# Altium PCB host_board.PcbDoc (part 5 of 7)
Units mm, origin at the board's own origin, x right, y up, seen from the top; angles counter-clockwise.
Board outline 87.1 x 62.94 mm, 4 copper layers (Top Layer, GND, Power, Bottom Layer), stack 1.59 mm thick; 217 components, 247 nets, 1076 pads, 563 vias.
Unrouted connection lines stored in the file: 56.
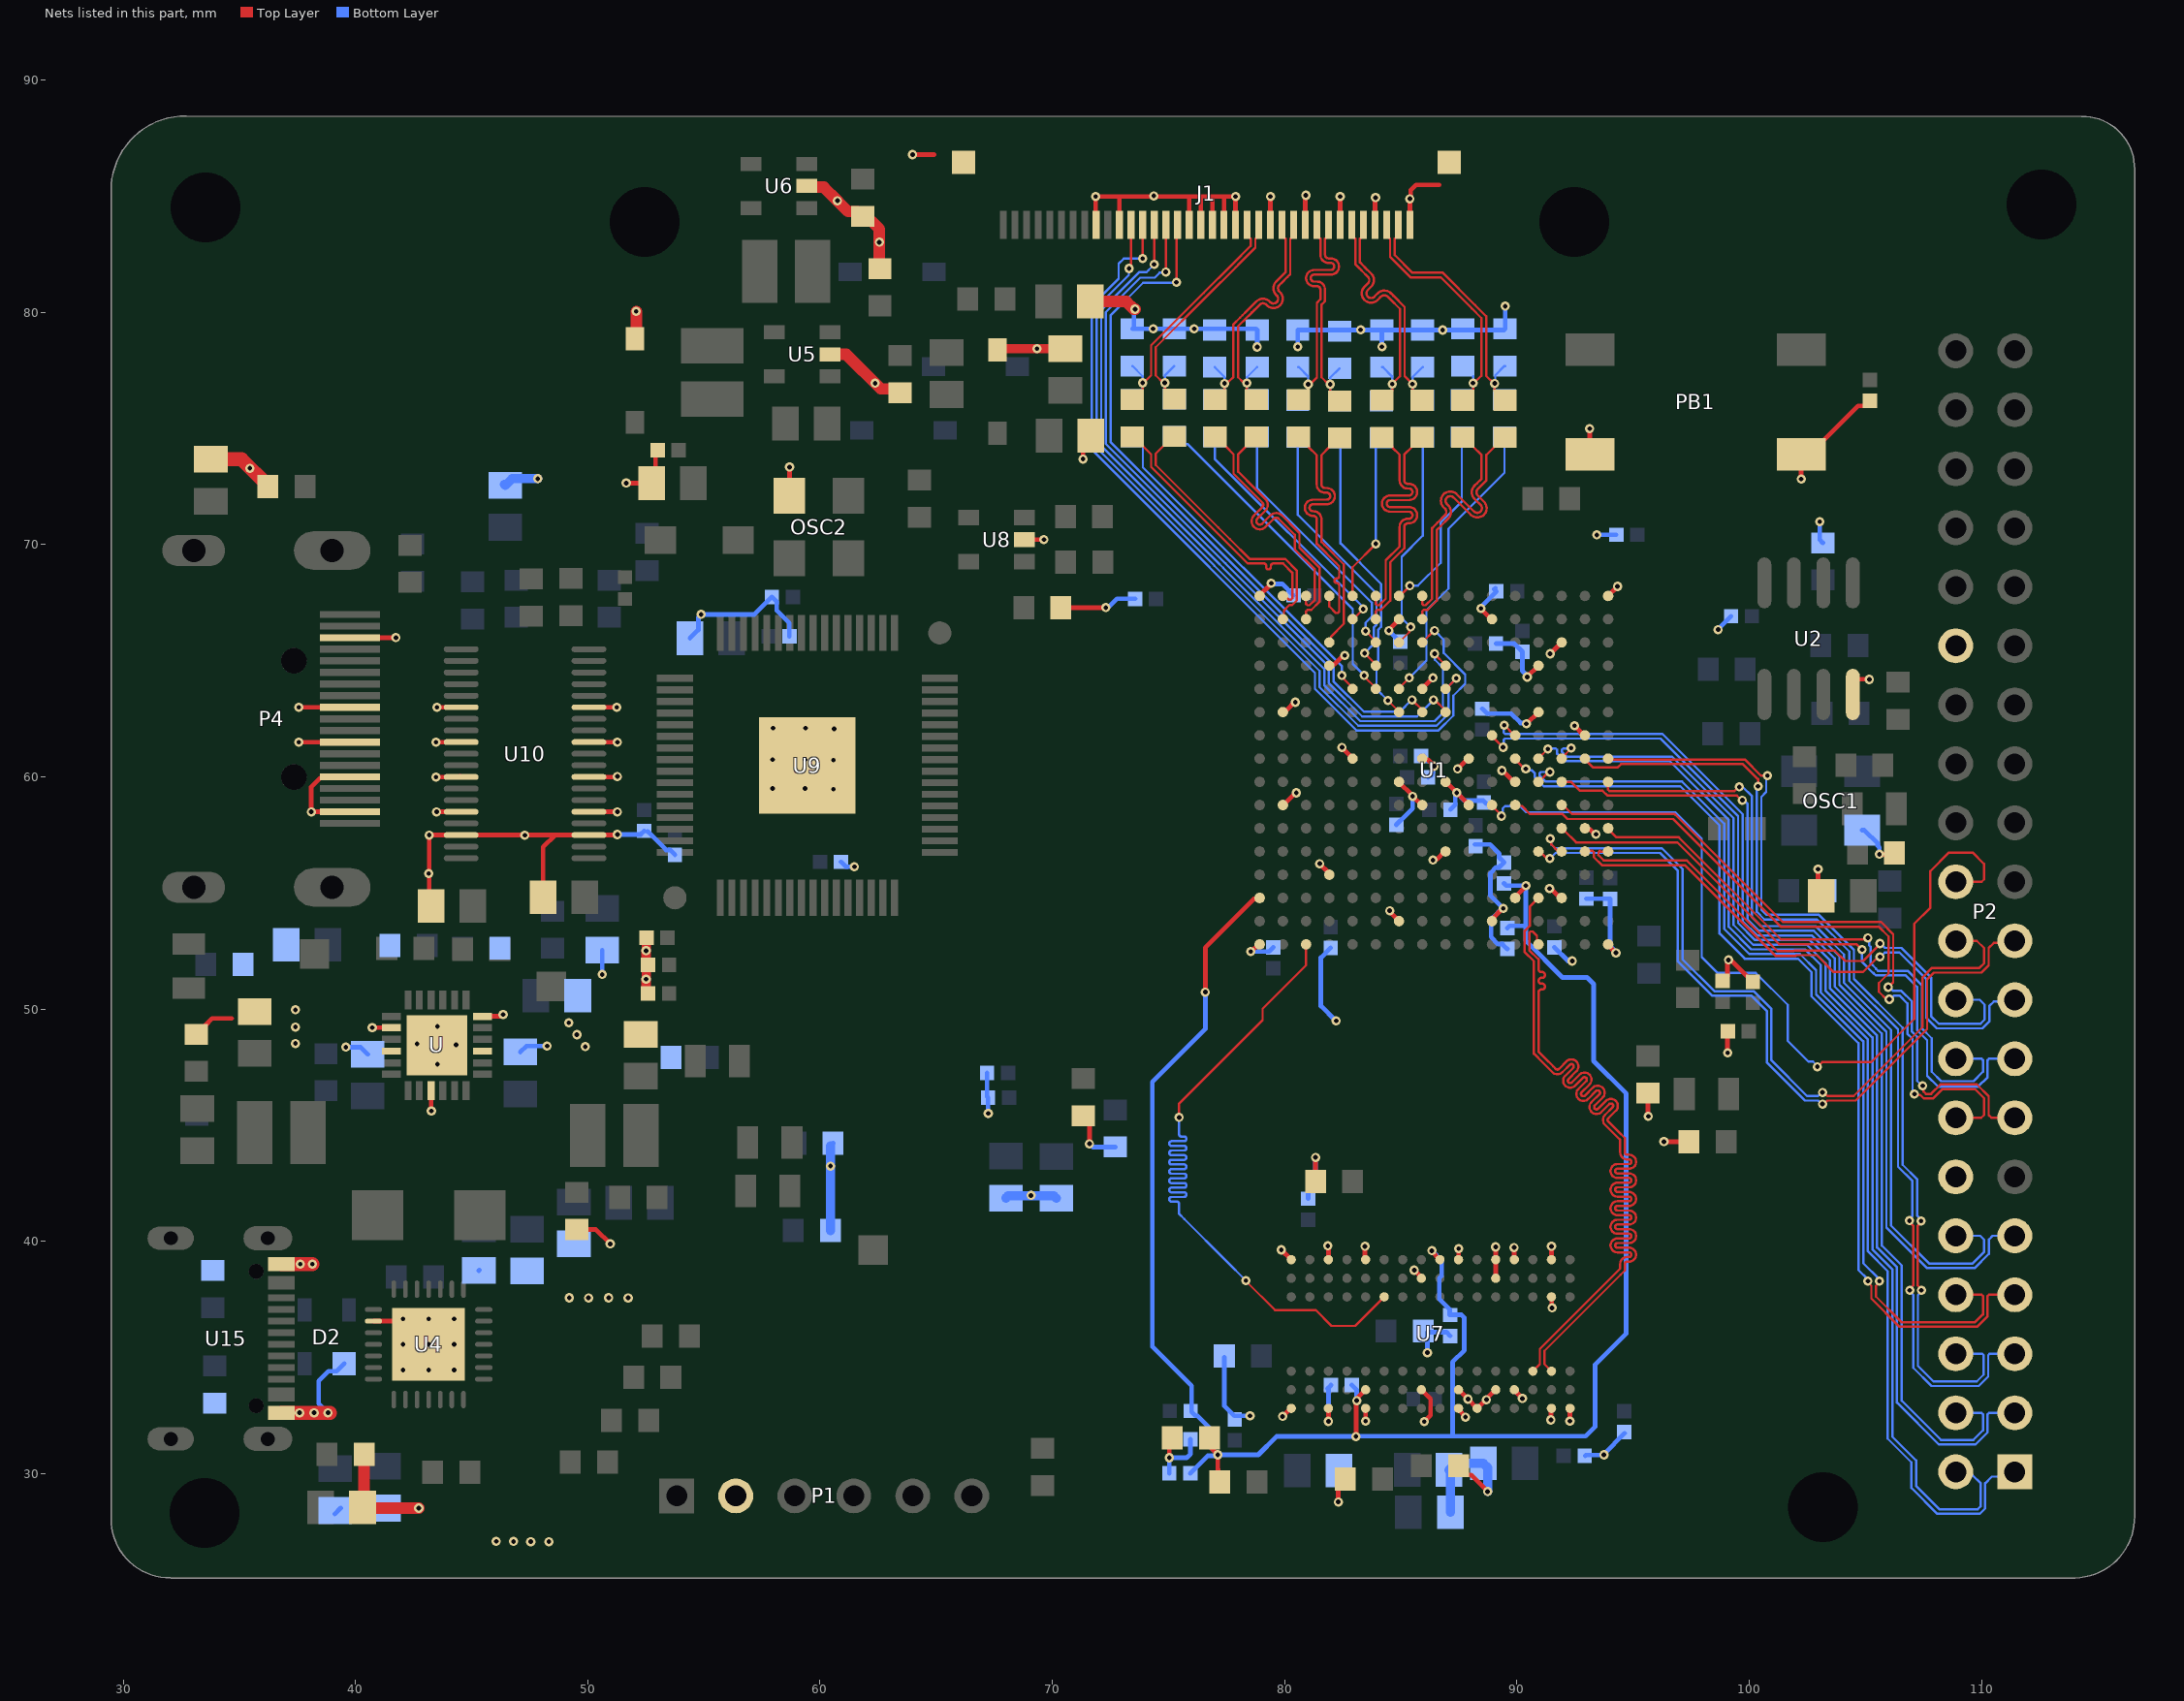
[diagram p7: the nets of this part, all layers, seen from the top]

## Via types
v1: diameter 0.4, hole 0.2, Top Layer to Bottom Layer, tented both sides, 485 vias
v2: diameter 0.4, hole 0.2, Top Layer to Bottom Layer, tented top, 61 vias
v3: diameter 0.5, hole 0.2, Top Layer to Bottom Layer, 9 vias
v4: diameter 0.4, hole 0.2, Top Layer to Bottom Layer, 8 vias

## Nets (pads, with @x,y where several pads share a name; then routed paths per layer and width w, separated by ;. In a path a pad name is that pad's centre, name@x,y a point inside that pad or via, vN(x,y) a via of type N, cw(c..) or ccw(c..) an arc to the next point about the centre after c; other vN are vias at no path point) (continued)
DDR_UDQS_N: U1.N1 U7.B7 | length 37.1
  Top Layer w0.1: U1.N1@90.92,52.793 90.854,52.859 90.854,53.168 90.67,53.351 90.587,53.351 90.529,53.293 90.529,52.544 90.907,52.166 90.924,52.149 90.924,51.728 ccw(c91.049,51.728) 91.049,51.603 91.075,51.603 cw(c91.075,51.478) 91.2,51.478 cw(c91.075,51.478) 91.075,51.353 91.049,51.353 ccw(c91.049,51.228) 90.924,51.228 ccw(c91.049,51.228) 91.049,51.103 91.075,51.103 cw(c91.075,50.978) 91.2,50.978 cw(c91.075,50.978) 91.075,50.853 91.049,50.853 ccw(c91.049,50.728) 90.924,50.728 90.924,50.428 90.924,48.173 91.209,47.887 91.559,47.538 91.664,47.432 ccw(c91.735,47.503) 91.806,47.432 92.127,47.753 cw(c92.34,47.542) 92.552,47.754 cw(c92.34,47.542) 92.552,47.329 92.215,46.992 ccw(c92.286,46.922) 92.215,46.851 ; U7.B7@91.48,34.42 91.18,34.72 91.18,35.297 94.455,38.572 94.64,38.757 94.64,39.036 cw(c94.74,39.036) 94.74,39.136 94.821,39.136 ccw(c94.821,39.436) 94.821,39.736 94.323,39.736 cw(c94.323,39.836) 94.323,39.936 94.821,39.936 ccw(c94.821,40.236) 94.821,40.536 94.323,40.536 cw(c94.323,40.636) 94.323,40.736 94.821,40.736 ccw(c94.821,41.036) 94.821,41.336 94.323,41.336 cw(c94.323,41.436) 94.323,41.536 94.821,41.536 ccw(c94.821,41.836) 94.821,42.136 94.323,42.136 cw(c94.323,42.236) 94.323,42.336 94.821,42.336 ccw(c94.821,42.636) 94.821,42.936 94.323,42.936 cw(c94.323,43.036) 94.323,43.136 94.821,43.136 ccw(c94.821,43.436) 94.821,43.736 94.74,43.736 cw(c94.74,43.836) 94.64,43.836 94.64,43.986 94.64,44.413 94.64,44.457 94.381,44.715 93.928,45.169 cw(c93.998,45.24) 93.928,45.311 94.249,45.632 ccw(c94.037,45.845) 94.279,46.023 94.279,46.027 94.25,46.056 ; 92.215,46.851 ccw(c92.286,46.922) 92.357,46.851 92.693,47.187 ; 92.693,47.188 cw(c92.906,46.976) 93.118,47.188 cw(c92.906,46.976) 93.117,46.763 92.78,46.426 ccw(c92.851,46.356) 92.78,46.286 ; 92.781,46.285 ccw(c92.851,46.356) 92.922,46.286 93.259,46.622 cw(c93.471,46.41) 93.65,46.652 93.654,46.652 93.683,46.623 ; 93.347,45.719 ccw(c93.417,45.79) 93.488,45.72 93.824,46.056 ; 93.346,45.72 cw(c93.417,45.79) 93.346,45.86 93.683,46.198 ccw(c93.471,46.41) 93.713,46.588 93.713,46.593 93.684,46.622 ; 93.825,46.056 cw(c94.037,45.845) 94.215,46.086 94.22,46.086 94.249,46.057
DDR_UDQS_P: U1.N3 U7.C7 | length 37.4
  Top Layer w0.1: U7.C7@90.68,34.42 90.98,34.72 90.98,35.38 94.172,38.572 94.44,38.84 94.44,39.036 cw(c94.74,39.036) 94.74,39.336 94.821,39.336 ccw(c94.821,39.436) 94.821,39.536 94.323,39.536 cw(c94.323,39.836) 94.323,40.136 94.821,40.136 ccw(c94.821,40.236) 94.821,40.336 94.323,40.336 cw(c94.323,40.636) 94.323,40.936 94.821,40.936 ccw(c94.821,41.036) 94.821,41.136 94.323,41.136 cw(c94.323,41.436) 94.323,41.736 94.821,41.736 ccw(c94.821,41.836) 94.821,41.936 94.323,41.936 cw(c94.323,42.236) 94.323,42.536 94.821,42.536 ccw(c94.821,42.636) 94.821,42.736 94.323,42.736 cw(c94.323,43.036) 94.323,43.336 94.821,43.336 ccw(c94.821,43.436) 94.821,43.536 94.74,43.536 cw(c94.74,43.836) 94.44,43.836 94.44,43.986 94.44,44.272 94.44,44.374 94.299,44.515 93.787,45.027 cw(c93.998,45.24) 93.787,45.453 94.107,45.773 ccw(c94.037,45.845) 94.109,45.915 ; U1.N3@90.92,54.793 90.545,54.418 90.545,53.592 90.329,53.375 90.329,52.461 90.724,52.066 90.724,51.415 90.724,50.721 90.724,48.09 91.139,47.675 91.417,47.397 91.523,47.291 ccw(c91.735,47.503) 91.948,47.291 92.27,47.613 cw(c92.34,47.542) 92.41,47.613 ; 92.074,47.134 ccw(c92.286,46.922) 92.074,46.709 ccw(c92.286,46.922) 92.498,46.71 92.836,47.047 cw(c92.906,46.976) 92.976,47.047 ; 92.074,47.134 92.41,47.47 ccw(c92.34,47.542) 92.411,47.612 ; 92.976,46.905 92.64,46.569 ccw(c92.851,46.356) 92.639,46.144 ccw(c92.851,46.356) 93.064,46.144 93.401,46.481 cw(c93.471,46.41) 93.542,46.482 ; 92.976,46.905 ccw(c92.906,46.976) 92.977,47.046 ; 93.542,46.339 93.206,46.003 ccw(c93.417,45.79) 93.205,45.578 ccw(c93.417,45.79) 93.63,45.579 93.967,45.916 cw(c94.037,45.845) 94.107,45.916 ; 93.542,46.339 ccw(c93.471,46.41) 93.543,46.48
DDR_VREF: C1.2 C30.1 C39.1 C40.2 C43.2 C47.2 R7.1 R8.2 U1.A3 U1.M3 U7.H1 U7.M8 | length 88.8
  Top Layer w0.2: v1(76.58,50.74) 76.58,52.656 78.669,54.745 78.872,54.745 U1.A3@78.92,54.793 ; R8.2@76.757,31.545 76.757,31.182 v1(77.119,30.82) 77.119,30.208 77.126,30.201 R7.1@77.126,29.75 ; v2(83.06,31.61) 83.08,31.63 83.08,33.22 U7.M8@83.48,33.62 ; v2(86.33,39.609) 86.33,39.57 U7.H1@86.68,39.22 ; U1.M3@89.905,54.82 90.38,55.295 v1(90.38,55.32)
  Bottom Layer w0.2: C40.2@75.932,30.02 76.694,30.782 77.081,30.782 v1(77.119,30.82) ; v1(76.58,50.74) 76.58,49.145 74.305,46.87 74.305,35.477 75.99,33.792 75.99,32.672 76.162,32.5 76.25,32.5 76.805,31.945 76.805,31.134 v1(77.119,30.82) ; C47.2@82.891,33.82 83.1,33.611 v1(83.1,33.15) ; v2(86.33,39.609) 86.755,39.184 86.755,38.52 86.655,38.42 86.655,37.521 87.096,37.08 87.096,36.845 87.605,36.845 87.73,36.72 87.73,35.316 87.22,34.806 87.22,31.62 ; C30.1@89.439,55.42 89.539,55.32 v1(90.38,55.32) 90.38,53.595 ; C1.2@89.58,53.495 89.68,53.595 90.38,53.595 ; v1(77.119,30.82) 78.86,30.82 79.65,31.61 v2(83.06,31.61) 83.07,31.62 87.22,31.62 ; 87.22,31.62 92.955,31.62 93.355,32.02 93.355,34.695 94.7,36.04 94.7,46.375 93.296,47.779 93.296,51.083 93.009,51.37 91.955,51.37 90.38,52.945 90.38,53.595
DDR_WE: U1.C1 U7.L3 | length 34.3
  Top Layer w0.1: v1(75.455,45.345) 75.455,45.946 79.047,49.538 79.047,50.027 80.92,51.9 U1.C1@80.92,52.793 ; v1(78.33,38.32) 78.33,38.3 79.585,37.045 81.339,37.045 82.014,36.37 83.03,36.37 U7.L3@84.28,37.62
  Bottom Layer w0.1: v1(75.455,45.345) 75.455,44.851 75.455,44.62 ccw(c75.555,44.62) 75.555,44.52 75.669,44.52 cw(c75.669,44.42) 75.669,44.32 75.129,44.32 ccw(c75.129,44.22) 75.129,44.12 75.669,44.12 cw(c75.669,44.02) 75.669,43.92 75.129,43.92 ccw(c75.129,43.82) 75.129,43.72 75.669,43.72 cw(c75.669,43.62) 75.669,43.52 75.129,43.52 ccw(c75.129,43.42) 75.129,43.32 75.669,43.32 cw(c75.669,43.22) 75.669,43.12 75.129,43.12 ccw(c75.129,43.02) 75.129,42.92 75.669,42.92 cw(c75.669,42.82) 75.669,42.72 75.129,42.72 ccw(c75.129,42.62) 75.129,42.52 75.669,42.52 cw(c75.669,42.42) 75.669,42.32 75.129,42.32 ccw(c75.129,42.22) 75.129,42.12 75.669,42.12 cw(c75.669,42.02) 75.669,41.92 75.129,41.92 ccw(c75.129,41.82) 75.129,41.72 75.355,41.72 cw(c75.355,41.62) 75.455,41.62 75.455,41.57 75.455,41.47 75.455,41.195 75.68,40.97 77.48,39.17 v1(78.33,38.32)
DPHY_0_N: DSI_R9.2 DSI_R19.2 DSI_R29.1 J1.3 | length 11.6
  Top Layer w0.1: J1.3@84.385,83.768 84.385,83.318 84.535,83.168 84.535,82.387 85.412,81.51 86.664,81.51 86.713,81.51 88.047,80.177 88.47,79.753 88.47,77.84 88.47,77.49 88.47,77.278 88.147,76.955 v1(88.105,76.955) 88.105,76.618 87.705,76.218 DSI_R9.2@87.66,76.218
  Bottom Layer w0.1: DSI_R19.2@87.651,76.244 87.701,76.244 88.101,76.644 88.101,76.952 v1(88.105,76.955) DSI_R29.1@88.105,77.248
DPHY_0_P: DSI_R10.2 DSI_R20.1 DSI_R30.2 J1.2 | length 12.2
  Top Layer w0.1: J1.2@84.885,83.768 84.885,83.318 84.735,83.168 84.735,82.47 85.495,81.71 86.796,81.71 86.83,81.676 88.188,80.318 88.67,79.836 88.67,77.84 88.67,77.66 88.67,77.268 88.995,76.943 v1(89.035,76.943) 89.035,76.618 89.435,76.218 DSI_R10.2@89.485,76.218
  Bottom Layer w0.1: DSI_R20.1@89.46,76.243 89.435,76.243 89.035,76.643 89.035,76.916 89.061,76.943 89.061,77.293 89.461,77.693 DSI_R30.2@89.485,77.693
DPHY_1_N: DSI_R7.2 DSI_R17.2 DSI_R27.1 J1.6 | length 11.8
  Top Layer w0.1: J1.6@82.885,83.768 82.885,83.318 83.035,83.168 83.035,82.074 83.236,81.874 83.294,81.816 83.312,81.797 83.578,81.532 cw(c83.438,81.389) 83.579,81.247 83.433,81.102 ccw(c83.716,80.819) 83.433,80.536 ccw(c83.716,80.819) 83.999,80.536 ; 83.999,80.536 84.144,80.681 ; 84.145,80.682 cw(c84.286,80.541) 84.429,80.681 ; DSI_R7.2@84.185,76.228 84.224,76.228 84.624,76.628 v1(84.624,76.916) 84.961,77.253 84.961,80.149 84.534,80.576 84.429,80.681
  Bottom Layer w0.1: DSI_R17.2@84.16,76.193 84.207,76.193 84.607,76.593 84.607,76.844 84.535,76.916 84.624,77.005 84.624,77.243 84.224,77.643 DSI_R27.1@84.185,77.643
DPHY_1_P: DSI_R8.2 DSI_R18.1 DSI_R28.2 J1.5 | length 11.6
  Top Layer w0.1: J1.5@83.385,83.768 83.385,83.318 83.235,83.168 83.235,82.158 83.377,82.016 83.454,81.939 83.72,81.673 cw(c83.438,81.389) 83.721,81.671 83.75,81.643 83.75,81.639 cw(c83.438,81.389) 83.72,81.106 83.575,80.961 ; 83.574,80.678 cw(c83.716,80.819) 83.575,80.96 ; 83.575,80.677 ccw(c83.716,80.819) 83.857,80.677 84.003,80.823 cw(c84.286,80.541) 84.537,80.853 84.54,80.853 84.569,80.824 cw(c84.286,80.541) 84.57,80.823 84.675,80.717 85.161,80.232 85.161,77.253 v1(85.498,76.916) 85.498,76.618 85.898,76.218 DSI_R8.2@85.91,76.218
  Bottom Layer w0.1: DSI_R18.1@85.935,76.218 85.498,76.655 v1(85.498,76.916) 85.498,77.205 DSI_R28.2@85.935,77.643
DPHY_2_N: DSI_R5.2 DSI_R15.2 DSI_R25.1 J1.9 | length 11.7
  Top Layer w0.1: DSI_R5.2@80.585,76.243 80.61,76.243 81.01,76.643 v1(81.01,76.905) 81.088,76.905 81.385,77.203 81.385,80.353 81.385,80.416 81.535,80.566 81.535,80.977 ccw(c81.385,80.977) 81.385,81.127 81.268,81.127 cw(c81.268,81.477) 81.268,81.827 81.985,81.827 ccw(c81.985,81.977) 81.985,82.127 81.885,82.127 cw(c81.885,82.477) 81.535,82.477 81.535,82.627 81.535,83.168 81.385,83.318 J1.9@81.385,83.768
  Bottom Layer w0.1: DSI_R15.2@80.56,76.218 80.61,76.218 81.01,76.618 81.01,77.243 80.61,77.643 DSI_R25.1@80.585,77.643
DPHY_2_P: DSI_R6.2 DSI_R16.1 DSI_R26.2 J1.8 | length 11.6
  Top Layer w0.1: J1.8@81.885,83.768 81.885,83.318 81.735,83.168 81.735,82.627 81.735,82.477 ccw(c81.885,82.477) 81.885,82.327 81.985,82.327 cw(c81.985,81.977) 81.985,81.627 81.268,81.627 ccw(c81.268,81.477) 81.268,81.327 81.385,81.327 cw(c81.385,80.977) 81.735,80.977 81.735,80.483 81.713,80.462 81.605,80.353 81.585,80.333 81.585,77.205 81.885,76.905 v1(81.96,76.905) 81.96,76.593 DSI_R6.2@82.36,76.193
  Bottom Layer w0.1: DSI_R16.1@82.36,76.193 81.96,76.593 v1(81.96,76.905) 81.96,77.193 82.36,77.593 DSI_R26.2@82.365,77.593
DPHY_3_N: DSI_R3.2 DSI_R13.2 DSI_R23.1 J1.12 | length 11.6
  Top Layer w0.1: DSI_R3.2@77.01,76.243 77.41,76.643 v1(77.41,76.943) 77.491,76.943 77.587,77.038 77.609,77.038 77.791,77.22 77.791,79.485 78.078,79.772 ; 78.183,79.878 78.078,79.772 ; 78.548,80.243 78.443,80.137 78.078,79.772 ; 78.549,80.243 78.779,80.474 cw(c79.063,80.192) 79.346,80.474 79.376,80.444 ccw(c79.517,80.586) 79.658,80.444 ; 79.657,80.728 79.629,80.756 cw(c79.911,81.04) 79.629,81.323 79.735,81.429 80.035,81.729 80.035,83.168 79.885,83.318 J1.12@79.885,83.768 ; 79.658,80.445 ccw(c79.517,80.586) 79.658,80.728
  Bottom Layer w0.1: DSI_R13.2@76.985,76.243 77.41,76.668 v1(77.41,76.943) 77.41,77.218 DSI_R23.1@76.985,77.643
DPHY_3_P: DSI_R4.2 DSI_R14.1 DSI_R24.2 J1.11 | length 11.6
  Top Layer w0.1: 78.325,79.736 78.269,79.681 78.264,79.676 ; 78.69,80.101 78.584,79.995 78.264,79.676 ; 78.69,80.102 78.921,80.332 cw(c79.063,80.192) 79.205,80.333 79.233,80.304 ccw(c79.517,80.586) 79.8,80.303 ccw(c79.517,80.586) 79.829,80.836 79.829,80.84 79.77,80.898 cw(c79.911,81.04) 79.77,81.181 ; DSI_R4.2@78.785,76.243 78.772,76.243 78.372,76.643 v1(78.372,76.955) 78.315,77.012 78.185,77.012 77.991,77.207 77.991,79.403 78.219,79.631 ; 79.771,81.182 79.876,81.288 80.118,81.529 80.235,81.647 80.235,83.168 80.385,83.318 J1.11@80.385,83.768 ; 78.219,79.631 78.264,79.676 ; 78.219,79.631 78.264,79.676
  Bottom Layer w0.1: DSI_R14.1@78.81,76.243 78.372,76.68 v1(78.372,76.955) 78.372,77.205 DSI_R24.2@78.81,77.643
DPHY_4_N: DSI_R1.2 DSI_R11.2 DSI_R21.1 J1.15 | length 11.6
  Top Layer w0.1: DSI_R1.2@73.445,76.243 73.485,76.243 73.885,76.643 v1(73.885,76.968) 73.926,76.968 74.25,77.292 74.25,78.584 76.505,80.838 77.752,82.085 78.535,82.869 78.535,83.168 78.385,83.318 J1.15@78.385,83.768
  Bottom Layer w0.1: DSI_R11.2@73.445,76.243 73.885,76.683 v1(73.885,76.968) 73.885,77.253 DSI_R21.1@73.445,77.693
DPHY_4_P: DSI_R2.2 DSI_R12.1 DSI_R22.2 J1.14 | length 11.5
  Top Layer w0.1: DSI_R2.2@75.245,76.268 75.239,76.268 74.839,76.668 v1(74.839,76.968) 74.774,76.968 74.45,77.291 74.45,78.501 76.646,80.697 77.893,81.944 78.071,82.122 78.735,82.786 78.735,83.168 78.885,83.318 J1.14@78.885,83.768
  Bottom Layer w0.1: DSI_R12.1@75.245,76.268 74.839,76.674 v1(74.839,76.968) 74.839,77.286 DSI_R22.2@75.245,77.693
DPHY_HS0_N: DSI_R9.1 U1.H16 | length 11.6
  Top Layer w0.1: U1.H16@85.92,67.793 85.92,67.451 85.979,67.393 86.061,67.393 86.345,67.676 86.345,70.715 86.441,70.811 86.576,70.946 86.897,71.267 ; 86.897,71.267 ccw(c86.756,71.409) 86.897,71.55 86.841,71.607 cw(c87.123,71.89) 86.84,72.173 cw(c87.123,71.89) 87.373,72.202 87.376,72.202 88.148,71.431 ccw(c88.289,71.572) 88.43,71.431 ccw(c88.289,71.572) 88.43,71.714 88.171,71.973 cw(c88.453,72.257) 88.17,72.54 ; DSI_R9.1@87.66,74.618 88.06,74.218 88.112,74.218 88.473,73.857 88.473,72.892 88.473,72.843 88.276,72.646 88.171,72.541
DPHY_HS0_P: DSI_R10.1 U1.H15 | length 12
  Top Layer w0.1: U1.H15@85.92,66.793 85.92,67.134 85.979,67.193 86.144,67.193 86.545,67.594 86.545,70.632 86.582,70.67 86.718,70.805 87.038,71.125 ccw(c86.756,71.409) 87.038,71.692 86.981,71.749 cw(c87.123,71.89) 86.981,72.031 cw(c87.123,71.89) 87.265,72.031 ; 87.265,72.031 88.005,71.29 ; 88.005,71.29 ccw(c88.289,71.572) 88.572,71.29 ccw(c88.289,71.572) 88.601,71.823 88.601,71.826 88.312,72.115 cw(c88.453,72.257) 88.311,72.398 ; 88.312,72.399 88.359,72.446 88.417,72.505 88.638,72.726 88.673,72.76 88.673,73.863 89.028,74.218 89.085,74.218 DSI_R10.1@89.485,74.618
DPHY_HS1_N: DSI_R7.1 U1.F16 | length 11.3
  Top Layer w0.1: U1.F16@83.92,67.793 83.92,67.451 83.979,67.393 84.061,67.393 84.345,67.676 84.345,69.325 84.945,69.925 84.945,70.324 84.945,70.77 cw(c85.295,70.77) 85.295,71.12 85.349,71.12 ccw(c85.349,71.27) 85.349,71.42 84.537,71.42 cw(c84.537,71.77) 84.537,72.12 85.349,72.12 ccw(c85.349,72.27) 85.349,72.42 85.295,72.42 cw(c85.295,72.77) 84.945,72.77 84.945,72.92 84.945,73.535 84.945,73.867 84.635,74.178 84.635,74.228 84.235,74.628 DSI_R7.1@84.185,74.628
DPHY_HS1_P: DSI_R8.1 U1.F15 | length 11.6
  Top Layer w0.1: U1.F15@83.92,66.793 83.92,67.134 83.979,67.193 84.144,67.193 84.545,67.594 84.545,69.242 85.026,69.724 85.145,69.843 85.145,70.324 85.145,70.77 cw(c85.295,70.77) 85.295,70.92 85.349,70.92 ccw(c85.349,71.27) 85.349,71.62 84.537,71.62 cw(c84.537,71.77) 84.537,71.92 85.349,71.92 ccw(c85.349,72.27) 85.349,72.62 85.295,72.62 cw(c85.295,72.77) 85.145,72.77 85.145,72.92 85.145,73.535 85.145,73.885 85.46,74.2 85.46,74.218 85.86,74.618 DSI_R8.1@85.91,74.618
DPHY_HS2_N: DSI_R5.1 U1.D16 | length 11.1
  Top Layer w0.1: DSI_R5.1@80.585,74.643 80.635,74.643 81.035,74.243 81.035,74.193 81.38,73.848 81.38,72.74 81.38,72.59 ccw(c81.73,72.59) 81.73,72.24 81.808,72.24 cw(c81.808,72.09) 81.808,71.94 81.218,71.94 ccw(c81.218,71.59) 81.218,71.24 81.23,71.24 cw(c81.23,71.09) 81.38,71.09 81.38,71.049 81.38,70.668 81.38,70.039 81.424,69.995 82.204,69.215 82.345,69.074 82.345,68.879 82.345,68.65 cw(c82.245,68.65) 82.245,68.55 82.238,68.55 ccw(c82.238,68.45) 82.238,68.35 82.245,68.35 cw(c82.245,68.25) 82.345,68.25 82.345,68.2 82.345,67.115 82.286,67.056 82.204,67.056 81.92,67.34 U1.D16@81.92,67.793
DPHY_HS2_P: DSI_R6.1 U1.D14 | length 11.3
  Top Layer w0.1: U1.D14@81.92,65.793 81.987,65.86 81.987,66.041 82.545,66.599 82.545,69.157 81.707,69.995 81.58,70.122 81.58,70.668 81.58,70.967 81.58,71.09 ccw(c81.23,71.09) 81.23,71.44 81.218,71.44 cw(c81.218,71.59) 81.218,71.74 81.808,71.74 ccw(c81.808,72.09) 81.808,72.44 81.73,72.44 cw(c81.73,72.59) 81.58,72.59 81.58,72.657 81.58,72.74 81.58,73.86 81.91,74.19 81.91,74.193 82.31,74.593 DSI_R6.1@82.36,74.593
DPHY_HS3_N: DSI_R3.1 U1.C16 | length 11.2
  Top Layer w0.1: DSI_R3.1@77.01,74.643 77.06,74.643 77.46,74.243 77.46,74.23 77.798,73.893 77.798,73.056 78.569,72.284 79.028,71.825 cw(c78.923,71.718) 79.029,71.612 78.677,71.26 ccw(c78.925,71.013) 78.677,70.765 ccw(c78.925,71.013) 79.173,70.766 79.524,71.117 cw(c79.63,71.011) 79.737,71.116 80.433,70.42 80.433,69.794 81.295,68.932 81.295,67.626 81.061,67.393 80.979,67.393 80.92,67.451 U1.C16@80.92,67.793
DPHY_HS3_P: DSI_R4.1 U1.C15 | length 11.6
  Top Layer w0.1: DSI_R4.1@78.785,74.643 78.735,74.643 78.335,74.243 78.335,74.235 77.998,73.898 77.998,73.139 78.711,72.425 79.2,71.936 79.2,71.932 cw(c78.923,71.718) 79.17,71.471 78.819,71.119 ccw(c78.925,71.013) 78.818,70.907 ccw(c78.925,71.013) 79.03,70.906 79.383,71.258 cw(c79.63,71.011) 79.844,71.288 79.848,71.288 80.575,70.561 80.633,70.503 80.633,69.877 81.495,69.015 81.495,67.544 81.144,67.193 80.979,67.193 80.92,67.134 U1.C15@80.92,66.793
DPHY_HS_CLK_N: DSI_R1.1 U1.B16 | length 11.6
  Top Layer w0.1: DSI_R1.1@73.445,74.643 73.845,74.243 73.897,74.243 74.25,73.89 74.25,73.431 74.25,73.348 78.408,69.19 78.853,69.19 79.103,69.19 cw(c79.103,69.09) 79.203,69.09 79.203,69.033 ccw(c79.303,69.033) 79.403,69.033 79.403,69.09 cw(c79.503,69.09) 79.503,69.19 79.677,69.19 79.932,69.19 80.326,68.796 80.326,67.695 80.268,67.636 80.171,67.636 80.015,67.793 U1.B16@79.92,67.793
DPHY_HS_CLK_P: DSI_R2.1 U1.B15 | length 12
  Top Layer w0.1: DSI_R2.1@75.245,74.668 75.195,74.668 74.795,74.268 74.795,74.265 74.45,73.92 74.45,73.431 77.141,70.741 77.641,70.241 78.491,69.39 79.331,69.39 79.6,69.39 80.015,69.39 80.526,68.879 80.526,67.612 80.315,67.401 80.198,67.401 79.965,67.168 79.965,66.838 U1.B15@79.92,66.793
DPHY_LP_CLK_N: DSI_R11.1 U1.E12 | length 14.8
  Top Layer w0.1: v1(82.455,64.371) 82.455,64.314 82.92,63.849 U1.E12@82.92,63.793
  Bottom Layer w0.1: DSI_R11.1@73.445,74.643 73.495,74.643 73.895,74.243 73.895,73.325 82.464,64.756 v1@82.464,64.34
DPHY_LP_CLK_P: DSI_R12.2 U1.F12 | length 14.6
  Top Layer w0.1: v1(83.42,64.37) 83.42,64.331 U1.F12@83.92,63.831
  Bottom Layer w0.1: DSI_R12.2@75.245,74.668 75.589,74.324 75.836,74.324 82.93,67.23 82.93,64.871 v1@83.43,64.371
DPHY_LP_N0: DSI_R19.1 U1.G16 | length 8.2
  Top Layer w0.1: U1.G16@84.92,67.793 84.948,67.793 v1(85.385,68.23)
  Bottom Layer w0.1: v1(85.385,68.23) 85.397,68.242 85.735,68.242 86.713,69.22 86.713,70.953 87.62,71.86 87.62,74.613 DSI_R19.1@87.651,74.644
DPHY_LP_N1: DSI_R17.1 U1.E16 | length 7.3
  Top Layer w0.1: U1.E16@82.92,67.793 82.92,69.029 v1@83.93,70.039
  Bottom Layer w0.1: v1(83.92,70.039) 83.92,74.353 DSI_R17.1@84.16,74.593